# KiCad board LinearSaturn.kicad_pcb
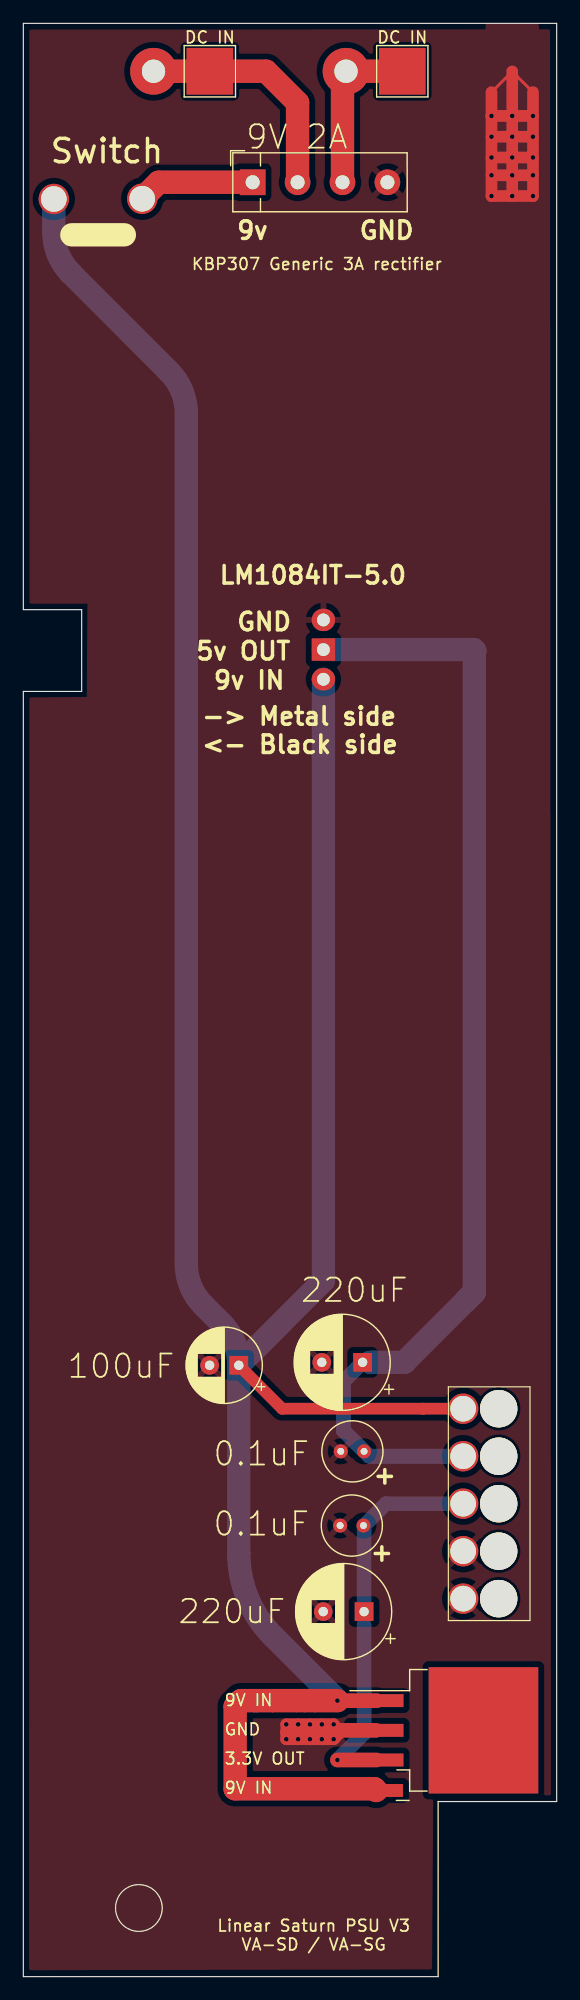
[diagram p0: board, top side]
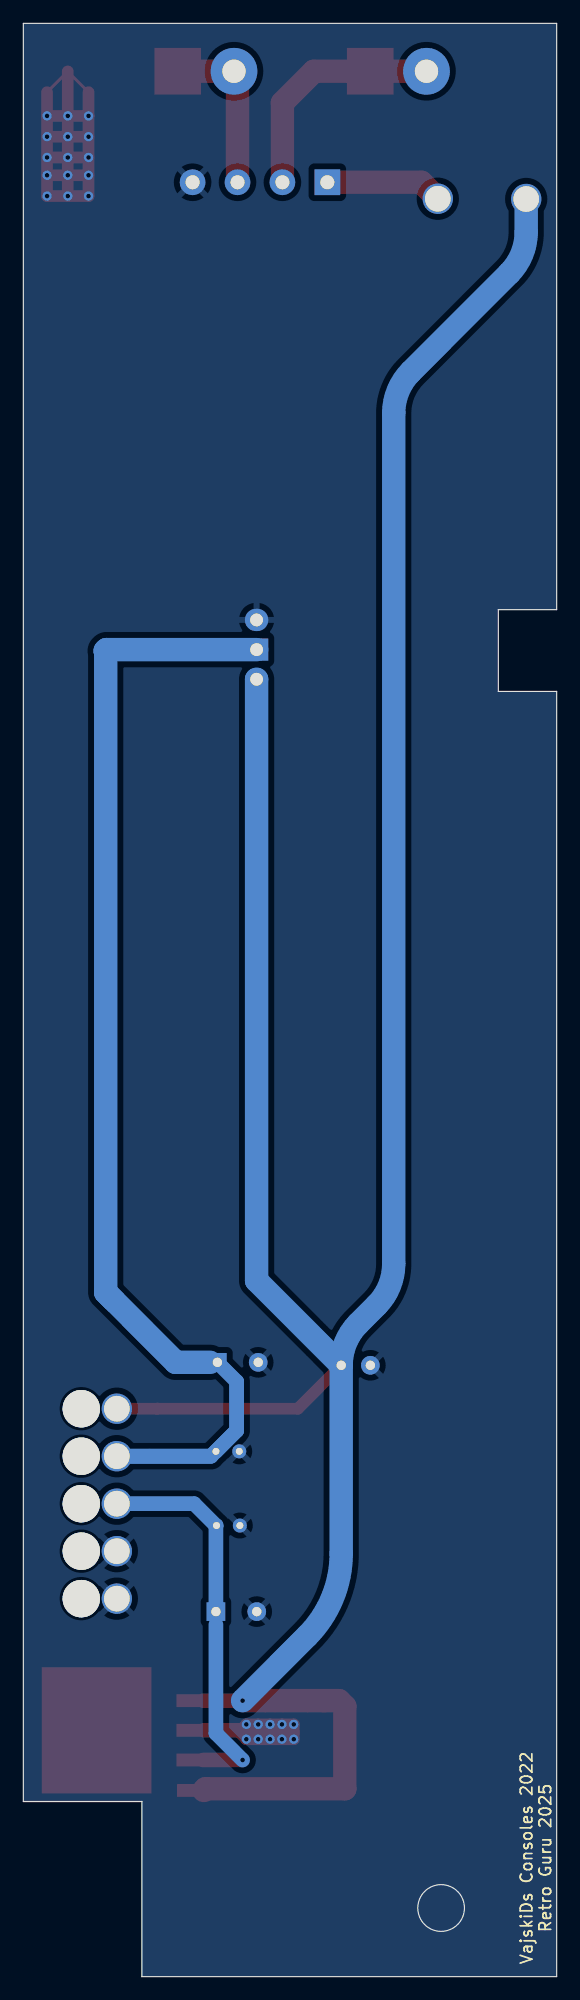
[diagram p1: board, bottom side, seen from below]

Outline 45.72 x 167.18 mm; copper layers: Top, Bottom. Coordinates in mm from the lower left corner of the outline.
Outline path: circle c9.91,5.87 r2 ; 35.56,15 35.56,0 0,0 0,110 5,110 5,117 0,117 0,167.18 45.72,167.18 45.72,14.99 35.56,14.99

## Placement (name value [footprint] x y rotation side)
25v 220uF  -  [CP_Radial_D8.0mm_P3.50mm]  29.21 31.24 180 top
25v 220uF#2  CP_Radial_D8.0mm_P3.50mm  [CP_Radial_D8.0mm_P3.50mm#2]  29.08 52.58 180 top
35v 100uF  -  [CP_Radial_D6.3mm_P2.50mm]  18.47 52.32 180 top
50v 0.1uF  -  [C_Radial_D5.0mm_H5.0mm_P2.00mm]  29.21 44.96 180 top
50v 0.1uF#2  -  [C_Radial_D5.0mm_H5.0mm_P2.00mm]  29.16 38.61 180 top
DC IN  -  [TestPoint_Pad_4.0x4.0mm]  32.49 163.08 0 top
DC IN#2  -  [TestPoint_Pad_4.0x4.0mm]  15.99 163.08 0 top
LM2940A 3.3v TO263-3  -  [TO-263-4pin]  36.07 21.08 0 top
NOREF  -  [unnamed]  40.75 32.35 0 top
NOREF#2  -  [unnamed#2]  25.72 111.04 0 top
NOREF#3  -  [unnamed#6]  37.7 48.61 0 top
NOREF#4  -  [unnamed#3]  11.16 163.08 0 top
NOREF#5  -  [unnamed#4]  25.72 113.58 0 top
NOREF#6  -  [unnamed#3]  27.66 163.08 0 top
NOREF#7  -  [unnamed]  40.75 44.54 0 top
NOREF#8  -  [unnamed#6]  37.7 36.42 0 top
NOREF#9  -  [unnamed#6]  37.7 44.54 0 top
NOREF#10  -  [unnamed]  40.75 36.42 0 top
NOREF#11  -  [unnamed#6]  37.7 32.35 0 top
NOREF#12  -  [unnamed#6]  37.7 40.48 0 top
NOREF#13  -  [unnamed#7]  2.61 152.15 0 top
NOREF#14  -  [unnamed#5]  25.72 116.12 0 top
NOREF#15  -  [unnamed]  40.75 40.48 0 top
NOREF#16  -  [unnamed#7]  10.19 152.17 0 top
NOREF#17  -  [unnamed]  40.75 48.61 0 top
REF**  KBP307 Generic 3A rectifier  [Diode_Bridge_Vishay_KBPM]  19.66 153.58 0 top

## Footprints (pads in the part's own frame, mm; a bottom-side part is the same pattern mirrored in y, then rotated)
C_Radial_D5.0mm_H5.0mm_P2.00mm
  round 1.2 hole 0.6: (2,0) 1(0,0)
CP_Radial_D6.3mm_P2.50mm
  round 1.6 hole 0.8: (2.5,0)
  rect 1.6x1.6 hole 0.8: 1(0,0)
CP_Radial_D8.0mm_P3.50mm
  rect 1.6x1.6 hole 0.8: 1(0,0)
  round 1.6 hole 0.8: GND(3.5,0)
CP_Radial_D8.0mm_P3.50mm#2
  round 1.6 hole 0.8: (3.5,0)
  rect 1.6x1.6 hole 0.8: 5v(0,0)
Diode_Bridge_Vishay_KBPM
  rect 2.2x2.2 hole 1.2: 1(0,0)
  round 2.2 hole 1.2: 2(3.85,0) 3(7.7,0) 4(11.55,0)
TestPoint_Pad_4.0x4.0mm
  rect 4x4 smd: DC IN(0,0)
TO-263-4pin
  rect 4.6x1.1 smd: (-5.775,0) 1(-5.775,2.54) 3(-5.775,-2.54) 9V IN (ALT)(-5.825,-5.15)
  rect 4.55x5.25 smd: (0.95,2.775) (0.95,-2.775) (5.8,2.775) (5.8,-2.775)
  rect 9.4x10.8 smd: (3.375,0)
unnamed
  round 3.2 hole 3.2 unplated: (0,0)
unnamed#6
  round 2.6 hole 2.2: (0,0)
unnamed#2
  oval 2x1.905 hole 1.1: 3(0,0)
unnamed#3
  oval 4x4 hole 2: 2(0,0)
unnamed#4
  rect 2x1.905 hole 1.1: 1(0,0)
unnamed#7
  round 2.6 hole 2.2: 1(0,0)
unnamed#5
  oval 2x1.905 hole 1.1: GND(0,0)

## Nets
3.3v: 25v 220uF.1 50v 0.1uF#2.1 LM2940A 3.3v TO263-3.3 NOREF#12.
5v: 25v 220uF#2.5v 50v 0.1uF.1 NOREF#5.1 NOREF#9.
GND: 25v 220uF.GND 25v 220uF#2. 35v 100uF. 50v 0.1uF. 50v 0.1uF#2. NOREF#8. NOREF#11. NOREF#14.GND REF**.4

Pads without a net: 35v 100uF 1; DC IN DC IN; DC IN#2 DC IN; LM2940A 3.3v TO263-3 1 9V IN (ALT); NOREF#2 3; NOREF#4 2; NOREF#6 2; NOREF#13 1; NOREF#16 1; REF** 1 2 3

## Via types
v1: diameter 0.8, hole 0.4, Top to Bottom, 27 vias

## Routing (per net, layer and track width the routed paths; a pad name or vN(x,y) marks a point on that pad's centre or on a via; arc(x,y) is an arc through that point)
3.3v: length 32.6
  Top w1.25: v1(26.92,18.54) LM2940A 3.3v TO263-3.3
  Bottom w1.25: 37.7,40.48 31.08,40.48 29.21,38.61 25v 220uF.1 ; v1(26.92,18.54) 29.21,20.83 29.21,30.14
5v: length 113.1
  Bottom w0.25: 28.94,44.96 28.7,44.96
  Bottom w1.25: 27.43,50.93 25v 220uF#2.5v ; 27.43,50.93 27.43,46.74 50v 0.1uF.1 ; 27.43,50.93 27.43,46.75 29.64,44.54 37.7,44.54 29.62,44.54
  Bottom w2: 29.72,52.58 32.66,52.58 38.66,58.58 ; 38.66,58.58 38.66,113.43 38.7,113.47 38.6,113.58 NOREF#5.1 ; 38.66,58.58 37.91,57.83
GND: length 75
  Top w0.25: 43.69,161.29 41.91,163.07 40.13,161.29
  Top w1: v1(23.56,21.59) v1(23.56,20.32) ; 41.91,163.07 v1(41.91,152.4) ; v1(24.57,21.59) v1(24.57,20.32) ; 26.6,21.02 26.48,20.9 22.54,20.9 ; 26.6,21.02 v1(26.6,20.32) ; 26.6,21.02 v1(26.6,21.59) ; v1(26.6,20.32) v1(22.54,20.32) 22.54,20.9 ; v1(26.6,20.32) 27.37,21.08 ; 27.11,21.08 v1(26.6,21.59) ; v1(26.6,21.59) v1(22.54,21.59) 22.54,20.9 ; 43.69,161.29 v1(43.69,159.26) ; v1(43.69,159.26) v1(43.69,152.4) v1(40.13,152.4) v1(40.13,159.26) ; v1(43.69,159.26) v1(40.13,159.26) ; 40.13,161.29 v1(40.13,159.26) ; v1(40.13,155.7) v1(43.69,155.7) ; v1(40.13,157.48) v1(43.69,157.48) ; v1(40.13,154.18) v1(43.69,154.18) ; v1(25.59,21.59) v1(25.59,20.32)
  Top w1.25: 30.23,21.08 27.11,21.08
  Bottom w1: 15.97,52.32 15.97,52.57
  vias: v1(41.91,159.26) v1(41.91,157.48) v1(41.91,155.7) v1(41.91,154.18)
(no net): length 296.7
  Top w0.25: 37.7,48.61 37.7,48.61 ; 27.66,153.88 REF**.3
  Top w1: 37.7,48.61 34.24,48.61 34.24,48.61 22.19,48.61 35v 100uF.1
  Top w1.25: v1(26.92,23.62) LM2940A 3.3v TO263-3.1
  Top w2: NOREF#4.2 DC IN#2.DC IN 20.81,163.08 23.51,160.38 REF**.2 ; NOREF#16.1 11.6,153.58 REF**.1 ; REF**.3 27.36,162.78 NOREF#6.2 DC IN.DC IN ; LM2940A 3.3v TO263-3.9V IN (ALT) 30.09,16.08 18.16,16.08 18.16,23.12 18.66,23.62 v1(26.92,23.62)
  Bottom w0.25: 18.29,52.32 35v 100uF.1
  Bottom w1: 18.47,52.36 35v 100uF.1
  Bottom w2: NOREF#13.1 2.61,149.32 arc(2.99,147.41) 4.08,145.78 12.51,137.35 arc(13.59,135.73) 13.97,133.82 13.97,61 arc(14.35,59.09) 15.43,57.46 17.01,55.89 arc(18.09,54.27) 18.47,52.36 ; v1(26.92,23.62) 21.4,29.15 arc(19.23,32.39) 18.47,36.22 35v 100uF.1 25.72,59.58 NOREF#2.3

## Copper pours and planes (outline as drawn; the poured copper is in the pictures)
GND on Top: 44.45,151.89 39.62,151.89 39.62,167.13 44.2,167.13
GND on Top: 45.23,15.52 35.14,15.44 35.04,0.61 0.49,0.55 0.52,109.49 5.44,109.53 5.49,117.51 0.53,117.51 0.51,166.65 0.57,166.65 45.15,166.67
GND on Bottom: 45.72,167.17 45.72,14.99 35.56,14.99 35.56,0 0.01,0 0,110 5.01,110.02 4.99,116.99 0,117 0,167.2
(no net) on Top: 27.87,19.81 22.03,19.81 22.03,22.1 27.87,22.1

## Text on the board
B.Silkscreen: VajskiDs Consoles 2022 / Retro Guru 2025
Top: 9v IN
F.Silkscreen: 9V IN | GND | 3.3V OUT | Linear Saturn PSU V3 / VA-SD / VA-SG | 5v OUT | -> Metal side / <- Black side | 9v IN | LM1084IT-5.0 | 9v | + | 100uF | 220uF | 0.1uF | 9V 2A | Switch
